# KiCad board robot.kicad_pcb
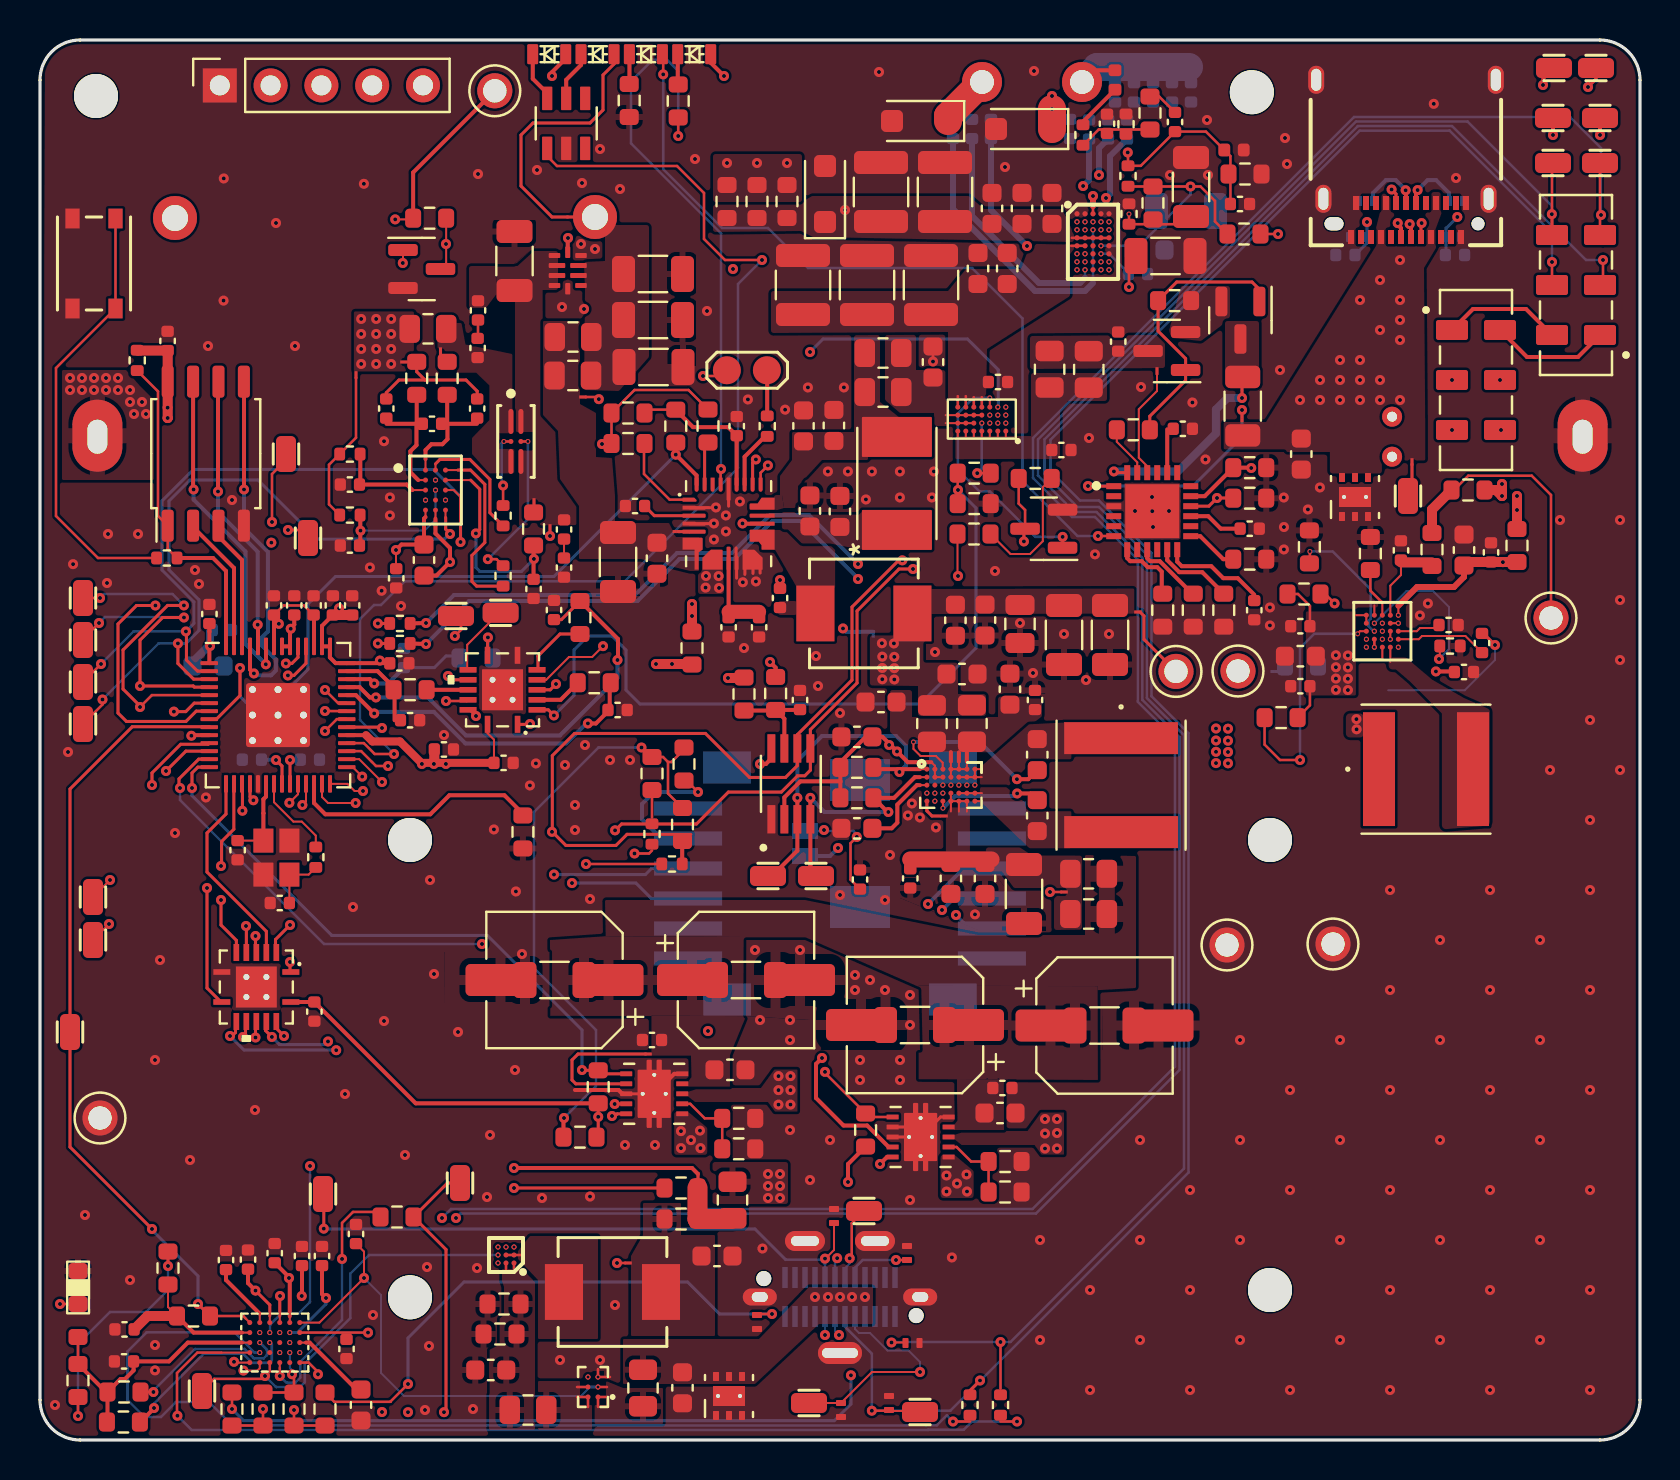
[diagram p0: board, top side]
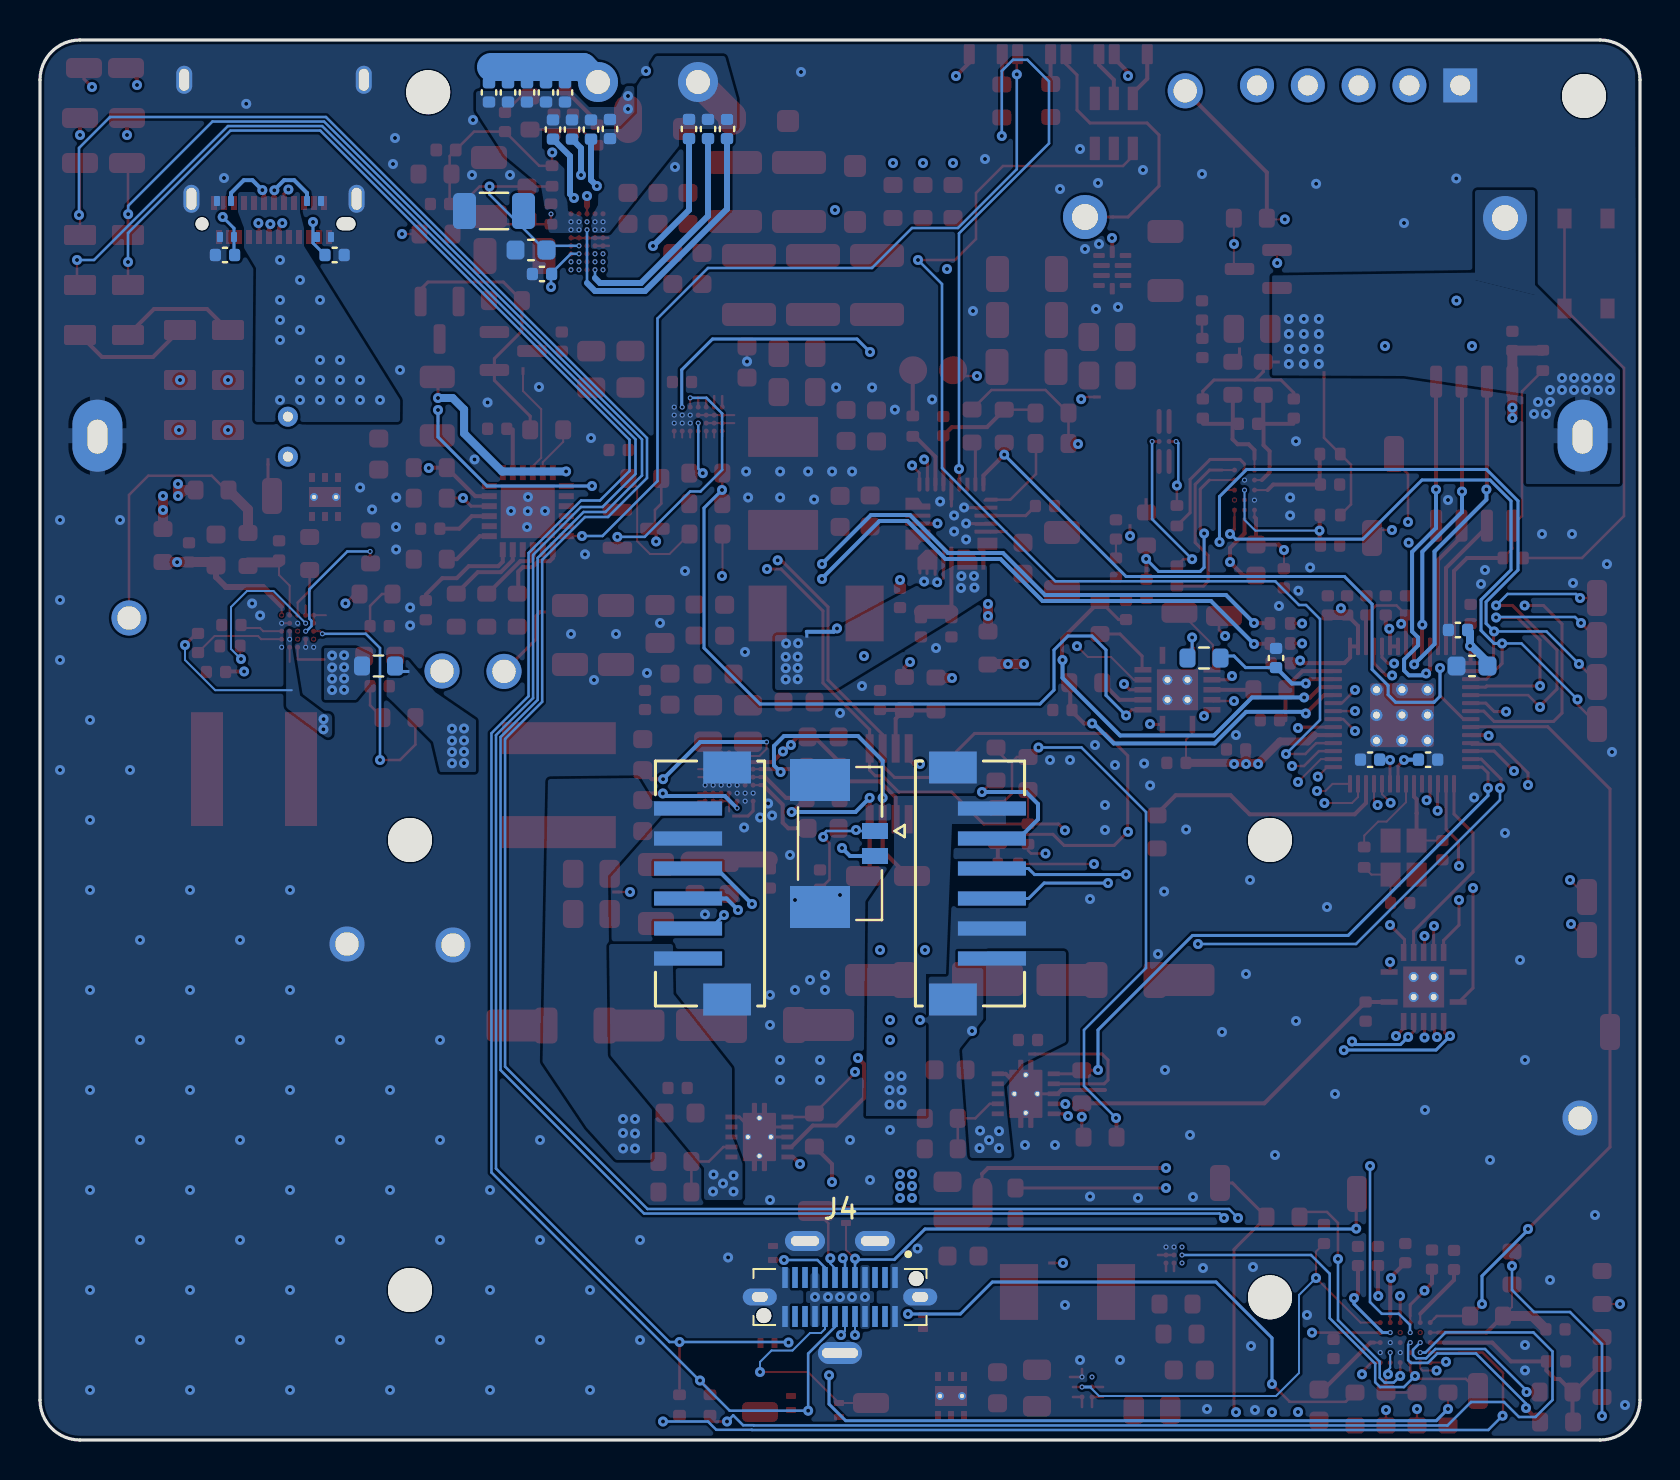
[diagram p1: board, bottom side, seen from below]

Outline 80 x 70 mm; copper layers: Top Layer, Signal Layer 1, Signal Layer 2, Bottom Layer. Coordinates in mm from the lower left corner of the outline.
Outline path: 0,68 arc(0.59,69.41) 2,70 78,70 arc(79.41,69.41) 80,68 80,2 arc(79.41,0.59) 78,0 2,0 arc(0.59,0.59) 0,2 0,68
Stack: Top Layer 0.035mm / dielectric 0.48mm FR4 er 4.5 / Signal Layer 1 0.035mm / dielectric 0.48mm FR4 er 4.5 / Signal Layer 2 0.035mm / dielectric 0.48mm FR4 er 4.5 / Bottom Layer 0.035mm

## Placement (name value [footprint] x y rotation side)
BT1  DNP  [battery26650_holderOnly]  40 50.17 0 bottom
BT2  DNP  [battery26650]  40 50.17 180 bottom
C1  22uF  [C_0603_1608Metric]  46.1 38.3 0 top
C2  27pF  [C_0402_1005Metric]  9.88 29.49 270 top
C3  27pF  [C_0402_1005Metric]  11.99 26.85 180 top
C4  1uF  [C_0402_1005Metric]  63.02 40.69 180 top
C5  0.1uF  [C_0402_1005Metric]  6.38 54.95 90 top
C6  0.1uF  [C_0402_1005Metric]  11.7 41.73 90 top
C7  0.1uF  [C_0402_1005Metric]  13.5 34.02 0 bottom
C8  1uF  [C_0402_1005Metric]  13.68 41.73 90 top
C9  0.1uF  [C_0402_1005Metric]  12.71 41.73 90 top
C10  1uF  [C_0402_1005Metric]  14.64 41.73 90 top
C11  0.1uF  [C_0402_1005Metric]  9.1 40.5 0 bottom
C12  0.1uF  [C_0402_1005Metric]  17.97 38.83 0 top
C13  0.1uF  [C_0402_1005Metric]  20.2 34.53 0 top
C14  0.1uF  [C_0402_1005Metric]  10.6 34.02 180 bottom
C15  0.1uF  [C_0402_1005Metric]  8.47 41.3 90 top
C16  0.1uF  [C_0402_1005Metric]  15.61 41.73 90 top
C17  10uF  [C_0603_1608Metric]  8.4 38.7 0 bottom
C18  27pF  [C_0402_1005Metric]  70.75 59.25 0 bottom
C19  27pF  [C_0402_1005Metric]  65.27 59.25 180 bottom
C20  10uF  [C_0603_1608Metric]  63.06 49.3 270 top
C21  1uF  [C_0402_1005Metric]  51.07 49.5 0 top
C22  1uF  [C_0402_1005Metric]  47.9 52.9 0 top
C23  4.7uF  [C_0603_1608Metric]  44.65 53.9 90 top
C24  0.1uF  [C_0402_1005Metric]  38 37 90 top
C25  10uF  [C_0603_1608Metric]  42.05 36.9 180 top
C26  0.47uF  [C_0603_1608Metric]  40.84 35.16 180 top
C27  10uF  [C_0603_1608Metric]  48.5 37.54 90 top
C28  2.2uF  [C_0603_1608Metric]  40.84 30.58 180 top
C29  1uF  [C_0402_1005Metric]  49.75 37 270 top
C30  0.22uF  [C_0603_1608Metric]  49.86 34.27 90 top
C31  0.22uF  [C_0603_1608Metric]  49.86 31.22 90 top
C32  0.1uF  [C_0402_1005Metric]  43.51 28.08 90 top
C33  22uF  [C_0603_1608Metric]  45.54 28.08 90 top
C34  22uF  [C_0603_1608Metric]  47.25 28.08 90 top
C35  0.1uF  [C_0402_1005Metric]  23.18 33.86 0 top
C36  0.1uF  [C_0402_1005Metric]  18.5 35.99 0 top
C37  0.1uF  [C_0402_1005Metric]  18.2 39.1 90 bottom
C38  0.1uF  [C_0402_1005Metric]  25.7 41.5 90 top
C39  0.1uF  [C_0402_1005Metric]  28.88 36.5 0 top
C40  0.1uF  [C_0402_1005Metric]  48.12 17.6 0 top
C41  0.1uF  [C_0402_1005Metric]  30.6 20 180 top
C42  10uF  [C_0603_1608Metric]  48 16.35 0 top
C43  10uF  [C_0603_1608Metric]  34.5 18.51 0 top
C44  0.1uF  [C_0402_1005Metric]  13.72 21.42 270 top
C45  27pF  [C_0402_1005Metric]  13.1 9.2 90 top
C46  27pF  [C_0402_1005Metric]  10.4 9.02 90 top
C47  1uF  [C_0402_1005Metric]  11.73 9.34 90 top
C48  1uF  [C_0402_1005Metric]  15.33 4.55 270 top
C49  2.2uF  [C_0603_1608Metric]  16.05 1.75 270 top
C50  1uF  [C_0402_1005Metric]  15.8 10.3 90 top
C51  1uF  [C_0402_1005Metric]  9.3 9 90 top
C52  1uF  [C_0402_1005Metric]  14.1 9.2 90 top
C53  1uF  [C_0402_1005Metric]  4.2 3.93 180 top
C54  1uF  [C_0402_1005Metric]  4.23 5.53 180 top
C55  1uF  [C_0402_1005Metric]  17.81 43.08 270 top
C56  0.47uF  [C_0603_1608Metric]  19.2 44 270 top
C57  0.1uF  [C_0402_1005Metric]  15.49 44.72 180 top
C58  0.1uF  [C_0402_1005Metric]  15.49 47.77 180 top
C59  0.1uF  [C_0402_1005Metric]  17.31 51.57 90 top
C60  0.1uF  [C_0402_1005Metric]  19.6 50.81 0 top
C61  0.1uF  [C_0402_1005Metric]  21.86 51.57 270 top
C62  0.1uF  [C_0402_1005Metric]  21.88 54.6 90 top
C63  0.1uF  [C_0402_1005Metric]  21.9 56.48 90 top
C64  0.1uF  [C_0402_1005Metric]  24.68 42.55 270 top
C65  0.1uF  [C_0402_1005Metric]  26.2 45.53 270 top
C66  0.1uF  [C_0402_1005Metric]  26.2 43.62 270 top
C67  10uF  [C_0603_1608Metric]  38.17 50.7 90 top
C68  10uF  [C_0603_1608Metric]  39.7 50.73 90 top
C69  1uF  [C_0402_1005Metric]  35.95 40.63 270 top
C70  0.1uF  [C_0402_1005Metric]  34.43 40.63 270 top
C71  0.1uF  [C_0402_1005Metric]  34.84 50.69 90 top
C72  0.1uF  [C_0402_1005Metric]  29.75 46.7 180 top
C73  0.1uF  [C_0402_1005Metric]  37 42.1 270 top
C74  100uF  [CP_Elec_APXJ100ARA271MF61G]  43.75 20.75 180 top
C75  10uF  [C_0603_1608Metric]  30.85 44.09 270 top
C76  22uF  [C_0603_1608Metric]  47.25 41 270 top
C77  10uF  [C_0603_1608Metric]  40 46.43 90 top
C78  22uF  [C_0603_1608Metric]  45.77 40.99 270 top
C79  100uF  [C_1206_3216Metric]  28.9 43.9 270 top
C80  10uF  [C_0603_1608Metric]  38.5 46.45 90 top
C81  47uF  [C_0805_2012Metric]  49 40.8 270 top
C82  100uF  [C_1206_3216Metric]  51.2 40.25 270 top
C83  100uF  [C_1206_3216Metric]  53.5 40.25 270 top
C84  10nF  [C_0402_1005Metric]  72.1 39.85 270 top
C85  0.1uF  [C_0402_1005Metric]  63.02 37.69 180 top
C86  100uF  [CP_Elec_APXJ100ARA271MF61G]  25.72 23 180 top
C87  22uF  [C_0603_1608Metric]  63.02 39.19 180 top
C88  1uF  [C_0402_1005Metric]  68.05 44.48 90 top
C89  100uF  [CP_Elec_APXJ100ARA271MF61G]  53.22 20.72 0 top
C90  100uF  [CP_Elec_APXJ100ARA271MF61G]  35.3 23 0 top
C91  100uF  [C_1206_3216Metric]  49.2 27.3 270 top
C92  0.1uF  [C_0402_1005Metric]  72.55 44.38 90 top
C93  22uF  [C_0603_1608Metric]  71.2 44.5 90 top
C94  1uF  [C_0402_1005Metric]  70.43 40.75 0 top
C95  1uF  [C_0402_1005Metric]  71.2 38.4 0 top
C96  100uF  [C_1206_3216Metric]  23.72 58.95 90 top
C97  4.7uF  [C_0603_1608Metric]  32.12 2.61 270 top
C99  1uF  [C_0402_1005Metric]  41 28.03 90 top
C100  4.7uF  [C_0603_1608Metric]  22.54 3.5 180 top
C101  4.7uF  [C_0603_1608Metric]  33.85 9.2 0 top
C102  0.1uF  [C_0402_1005Metric]  60.71 41.49 270 top
C103  0.1uF  [C_0402_1005Metric]  57.14 50.56 0 top
C104  0.1uF  [C_0402_1005Metric]  60.49 45.57 0 top
C105  1uF  [C_0402_1005Metric]  53.91 54.92 90 top
C106  100uF  [C_1206_3216Metric]  30.67 53.65 0 top
C107  100uF  [C_1206_3216Metric]  30.65 56 0 top
C108  100uF  [C_1206_3216Metric]  30.65 58.3 0 top
C109  100uF  [C_1206_3216Metric]  57.55 62.65 90 top
C110  22nF  [C_0402_1005Metric]  56.75 65.9 90 top
C111  1.5nF  [C_0402_1005Metric]  60 61.8 180 top
C112  3.3nF  [C_0402_1005Metric]  53.35 65.81 270 top
C113  0.1uF  [C_0402_1005Metric]  53.75 67.38 270 bottom
C114  0.1uF  [C_0402_1005Metric]  57.55 67.38 270 bottom
C115  10nF  [C_0402_1005Metric]  52.45 65.53 90 bottom
C116  0.1uF  [C_0402_1005Metric]  54.7 67.38 270 bottom
C117  22nF  [C_0402_1005Metric]  53.4 65.53 90 bottom
C118  10nF  [C_0402_1005Metric]  47.55 65.55 90 bottom
C119  0.1uF  [C_0402_1005Metric]  56.6 67.38 270 bottom
C120  22nF  [C_0402_1005Metric]  46.6 65.55 90 bottom
C121  0.1uF  [C_0402_1005Metric]  55.65 67.38 270 bottom
C122  3.3nF  [C_0402_1005Metric]  51.5 65.55 270 bottom
C123  47nF  [C_0402_1005Metric]  45.65 65.55 90 bottom
C124  4.7uF  [C_0603_1608Metric]  55.45 59.5 180 bottom
C125  100uF  [C_1206_3216Metric]  57.3 61.45 180 bottom
C126  1uF  [C_0402_1005Metric]  54.9 58.3 180 bottom
C127  100uF  [C_1206_3216Metric]  56.28 59.2 180 top
C128  47nF  [C_0402_1005Metric]  54.35 65.53 90 bottom
C129  10uF  [C_0603_1608Metric]  48.36 58.58 270 top
C130  10uF  [C_0603_1608Metric]  46.9 58.58 270 top
C131  100uF  [C_1210_3225Metric]  44.55 57.75 270 top
C132  10uF  [C_0603_1608Metric]  50.6 61.58 270 top
C133  100uF  [C_1210_3225Metric]  41.35 57.75 270 top
C134  10uF  [C_0603_1608Metric]  49.1 61.58 270 top
C135  100uF  [C_1210_3225Metric]  38.15 57.75 270 top
C136  10uF  [C_0603_1608Metric]  47.6 61.58 270 top
C137  100uF  [C_1210_3225Metric]  45.25 62.4 270 top
C138  100uF  [C_1210_3225Metric]  42.05 62.4 270 top
D1  LED-RED  [B12H1UYG-20D000134U1930]  32.78 69.29 90 top
D2  LED-YG  [B12H1UYG-20D000134U1930]  25.53 69.29 90 top
D3  LED-Amber  [B12H1UYG-20D000134U1930]  27.94 69.29 90 top
D4  SMF13A  [D_SOD-123F]  49.2 65.55 180 top
D5  LED-GREEN  [B12H1UYG-20D000134U1930]  30.36 69.29 90 top
D6  SMF13A  [D_SOD-123F]  44 65.95 180 top
D7  D_Schottky  [SD2114S040S8R0]  42.85 47.83 90 top
D9  IN4448HLP  [D_0402_1005Metric]  53.75 68 90 top
D10  SMF13A  [D_SOD-123F]  39.25 62.3 90 top
D11  IN4448HLP  [D_0402_1005Metric]  59.7 64.5 0 top
H1  MountingHole  [MountingHole_2.2mm_M2_2mm_clearance]  18.5 7.13 0 top
H2  MountingHole  [MountingHole_2.2mm_M2_2mm_clearance]  61.5 7.5 0 top
H3  MountingHole  [MountingHole_2.2mm_M2]  60.59 67.39 0 top
H4  MountingHole  [MountingHole_2.2mm_M2]  2.8 67.2 0 top
H5  MountingHole  [MountingHole_2.2mm_M2_2mm_clearance]  61.5 30 0 top
H6  MountingHole  [MountingHole_2.2mm_M2_2mm_clearance]  18.5 30 0 top
IC1  -  [TPS22998RYZR]  26.39 58.47 0 top
J1  USBC_Receptacle_SMD_RA  [CON_USB3.1-C_RCPT_SMD_RA_ACP_12401610E4#2A]  68.3 65.15 180 top
J2  Conn_01x05  [PinSocket_1x05_P2.54mm_Vertical]  8.99 67.73 90 top
J3  Conn_01x06_MountingPin  [CONN_B6B-ZR-SM4-TF_JST]  33.5 27.82 90 bottom
J4  USB4151-GF-C  [GCT_USB4151-GF-C_REVA]  40 7.15 180 bottom
J5  Conn_01x06_MountingPin  [CONN_B6B-ZR-SM4-TF_JST]  46.5 27.82 270 bottom
J8  Conn_01x02  [THT_Pitch5mm_Drill1.2mm]  47.1 67.9 0 top
L1  1.5uH  [NRS6028T1R5NMGJ]  54.05 32.74 270 top
L2  0.47uH  [Vishay-IHLP-2020BZ-FP_1.905x2.79-3D_2.0-0-0-MFG]  41.2 41.33 0 top
L3  1.5uH  [NRS6028T1R5NMGJ]  69.3 33.54 0 top
L4  0.47uH  [Vishay-IHLP-2020BZ-FP_1.905x2.79-3D_2.0-0-0-MFG]  28.62 7.4 180 top
NT1  NetTie_2  [NetTie-_SMD_Pad6mil]  68.6 48.9 90 top
NT2  NetTie_2  [NetTie-_SMD_Pad6mil]  60.1 51.08 90 top
NT3  NetTie_2  [NetTie-_SMD_Pad6mil]  60.1 52.46 270 top
NT4  NetTie_2  [NetTie-_SMD_Pad6mil]  55.85 53.45 270 top
NT5  NetTie_2  [NetTie-_SMD_Pad6mil]  31.82 45.42 0 top
NT6  NetTie_2  [NetTie-_SMD_Pad6mil]  27.15 52.15 0 top
NT7  NetTie_2  [NetTie-_SMD_Pad6mil]  26.5 61.15 180 top
NT8  NetTie_2  [NetTie-_SMD_Pad6mil]  25.5 45.6 270 top
NT9  NetTie_2  [NetTie-_SMD_Pad6mil]  24.7 46.9 270 top
NT10  NetTie_2  [NetTie-_SMD_Pad6mil]  18.2 53.9 0 top
NT11  NetTie_2  [NetTie-_SMD_Pad6mil]  41.66 40.31 90 bottom
NT12  NetTie_2  [NetTie-_SMD_Pad6mil]  20.03 54.44 270 top
NT13  NetTie_2  [NetTie-_SMD_Pad6mil]  15.8 53.25 90 top
NT14  NetTie_2  [NetTie-_SMD_Pad6mil]  54.9 41.4 180 top
NT15  NetTie_2  [NetTie-_SMD_Pad6mil]  45.2 31.2 180 top
NT16  NetTie_2  [NetTie-_SMD_Pad6mil]  51.2 27.4 0 top
NT17  NetTie_2  [NetTie-_SMD_Pad6mil]  30.4 19.3 0 top
NT18  NetTie_2  [NetTie-_SMD_Pad6mil]  32.9 13.2 270 top
NT20  NetTie_2  [NetTie-_SMD_Pad6mil]  61.72 38.42 0 bottom
NT21  NetTie_2  [NetTie-_SMD_Pad6mil]  29.4 8.85 0 top
NT22  NetTie_2  [NetTie-_SMD_Pad6mil]  27.6 2.65 0 bottom
Q1  Q_NMOS_GDS  [SOT-23]  50.19 45.56 180 top
Q2  EFC8811R-TF  [ON_Semiconductor-568AL-10_2013-O-MFG]  23.8 49.93 270 top
Q3  AS2312  [SOT-23]  60.02 55.99 270 top
Q4  YJL3416A  [SOT-23]  56.34 54.45 180 top
Q5  -  [SN74AHC125RGYR]  23.13 37.51 180 top
Q6  -  [SN74AHC125RGYR]  10.82 22.65 270 top
Q7  Q_NMOS_GDS  [SOT-23]  19.09 58.55 0 top
R1  1k  [R_0402_1005Metric]  6.34 44.1 180 top
R2  DNP  [R_0402_1005Metric]  4.86 53.98 270 top
R3  27  [R_0402_1005Metric]  18 40.83 180 top
R4  27  [R_0402_1005Metric]  18 39.83 180 top
R5  1k  [R_0402_1005Metric]  13.79 29.14 270 top
R6  10  [R_0402_1005Metric]  30.6 30.3 90 top
R7  10  [R_0402_1005Metric]  31.6 28.8 0 top
R8  47K  [R_0603_1608Metric]  19.48 61.09 0 top
R9  80.6k  [R_0402_1005Metric]  70.5 39.7 0 top
R10  0  [R_0603_1608Metric]  24.15 30.4 90 top
R11  0  [R_0805_2012Metric]  34.62 12 90 top
R12  100k  [R_0603_1608Metric]  23 5.3 180 top
R13  DNP  [R_0603_1608Metric]  23.2 6.8 180 top
R14  2.2k  [R_0603_1608Metric]  30.6 33.33 270 top
R15  2.2k  [R_0603_1608Metric]  32.12 30.78 270 top
R16  510k  [R_0603_1608Metric]  46.71 48.34 180 top
R17  100k  [R_0603_1608Metric]  46.71 46.82 0 top
R18  47K  [R_0603_1608Metric]  49.76 48.08 180 top
R19  200k  [R_0603_1608Metric]  36.78 37.33 90 top
R20  2.2k  [R_0603_1608Metric]  40.84 32.11 0 top
R21  2.2k  [R_0603_1608Metric]  40.84 33.63 0 top
R22  100  [R_0603_1608Metric]  18.5 37.51 0 top
R23  100  [R_0603_1608Metric]  21.8 39.1 0 bottom
R24  100  [R_0603_1608Metric]  27 41.12 270 top
R25  100  [R_0603_1608Metric]  27.71 37.86 180 top
R26  0.39  [R_0603_1608Metric]  48.25 13.92 0 top
R27  0.39  [R_0603_1608Metric]  34.94 16.08 0 top
R28  10k  [R_0603_1608Metric]  41.28 15.5 90 top
R29  0.39  [R_0603_1608Metric]  48.25 12.4 0 top
R30  0.39  [R_0603_1608Metric]  34.94 14.56 0 top
R31  10k  [R_0603_1608Metric]  27.91 17.66 90 top
R32  10  [R_0402_1005Metric]  48.03 1.75 270 top
R33  10  [R_0402_1005Metric]  46.5 1.75 270 top
R34  2.2k  [R_0603_1608Metric]  4.17 0.9 0 top
R35  2.2k  [R_0603_1608Metric]  4.2 2.4 0 top
R36  200k  [R_0603_1608Metric]  7.67 6.2 0 top
R37  649k  [R_0603_1608Metric]  11.15 1.55 270 top
R38  120k  [R_0603_1608Metric]  9.6 1.55 90 top
R39  649k  [R_0603_1608Metric]  12.7 1.55 270 top
R40  120k  [R_0603_1608Metric]  14.25 1.55 90 top
R41  10  [R_0402_1005Metric]  15.49 49.3 0 top
R42  10  [R_0402_1005Metric]  15.49 46.25 0 top
R43  200  [R_0603_1608Metric]  18.84 53.08 90 top
R44  5m  [R_0805_2012Metric]  19.4 55.56 180 top
R45  200  [R_0603_1608Metric]  20.36 53.08 90 top
R46  1k  [R_0402_1005Metric]  23.15 46.21 270 top
R47  1k  [R_0402_1005Metric]  23.15 43.2 270 top
R48  2k  [R_0603_1608Metric]  24.68 45.55 270 top
R49  100k  [R_0603_1608Metric]  31.79 50.69 270 top
R50  1k  [R_0402_1005Metric]  36.36 50.69 90 top
R51  10m  [R_1206_3216Metric]  60.14 51.69 90 top
R52  0  [R_0805_2012Metric]  52.44 53.53 270 top
R53  113K  [R_0603_1608Metric]  66.52 44.33 90 top
R54  0  [R_0805_2012Metric]  50.48 53.54 270 top
R55  14k  [R_0603_1608Metric]  63.47 44.66 90 top
R56  100  [R_0603_1608Metric]  31.91 66.95 270 top
R57  0  [R_0603_1608Metric]  32.05 11.05 0 top
R58  100  [R_0603_1608Metric]  54.67 50.51 180 top
R59  100k  [R_0603_1608Metric]  56.14 41.49 90 top
R60  100k  [R_0603_1608Metric]  57.66 41.49 90 top
R61  100k  [R_0603_1608Metric]  59.19 41.49 90 top
R62  16k  [R_0603_1608Metric]  60.49 44.04 0 top
R63  5.1k  [R_0603_1608Metric]  60.49 48.62 0 top
R64  5.1k  [R_0603_1608Metric]  60.49 47.09 0 top
R65  10M  [R_0603_1608Metric]  17.85 11.15 180 top
R66  DNP  [R_0603_1608Metric]  56.73 56.97 180 top
R67  0  [R_0805_2012Metric]  42.15 52.4 180 top
R68  0  [R_0805_2012Metric]  42.15 54.35 180 top
R69  0  [R_0805_2012Metric]  46.6 35.83 270 top
R70  0  [R_0805_2012Metric]  44.6 35.82 270 top
R71  0  [R_0805_2012Metric]  52.43 26.3 180 top
R72  0  [R_0805_2012Metric]  52.43 28.31 180 top
R73  0  [R_0805_2012Metric]  30.15 2.6 90 top
R74  0  [R_0805_2012Metric]  24.4 1.5 180 top
R75  0  [R_0603_1608Metric]  32.05 12.6 180 top
R76  0  [R_0603_1608Metric]  46.7 45.3 180 top
R77  0  [R_0805_2012Metric]  26.65 55.15 180 top
R78  0  [R_0805_2012Metric]  26.64 53.22 180 top
R79  0  [R_0603_1608Metric]  29.4 51.35 180 top
R80  0  [R_0603_1608Metric]  29.4 49.83 180 top
R81  0  [R_0603_1608Metric]  33.4 50.7 90 top
R82  0  [R_0603_1608Metric]  35.2 37.3 90 top
R83  0  [R_0603_1608Metric]  71.4 47.5 180 top
R84  0  [R_0603_1608Metric]  32.2 33.8 90 top
R85  0  [R_0603_1608Metric]  27 15.14 180 top
R86  0  [R_0603_1608Metric]  32.6 39.6 270 top
R87  0  [R_0603_1608Metric]  6.4 8.6 270 top
R88  0  [R_0603_1608Metric]  1.9 2.97 270 top
R89  100k  [R_0603_1608Metric]  60.2 60.3 0 top
R90  0  [R_0603_1608Metric]  63.08 38.7 0 bottom
R91  0  [R_0603_1608Metric]  69.6 44.53 90 top
R92  0  [R_0603_1608Metric]  63.2 42.3 180 top
R93  0  [R_0603_1608Metric]  62.06 36.12 0 top
R94  0  [R_0603_1608Metric]  73.85 44.72 90 top
R95  0  [R_0603_1608Metric_3pin_Switch]  1.87 6.83 270 top
R96  10k  [R_0603_1608Metric]  55.5 66.35 90 top
R97  100  [R_0603_1608Metric]  29.46 66.97 270 top
R98  150k  [R_0402_1005Metric]  54.4 63.2 270 top
R99  100k  [R_0603_1608Metric]  60.25 63.3 180 top
R100  220k  [R_0402_1005Metric]  54.3 65.79 90 top
R101  6.8k  [R_0402_1005Metric]  52.15 65.25 270 top
R102  10k  [R_0603_1608Metric]  55.65 61.85 270 top
R103  200  [R_0603_1608Metric]  37.35 61.92 270 top
R104  200  [R_0603_1608Metric]  35.85 61.92 270 top
R105  200  [R_0603_1608Metric]  34.35 61.92 270 top
S2  PTS815 SJM 250 SMTR LFS  [SW4_PTS815 SJM 250 SMTR LFS_CNK]  2.7 58.83 270 top
S3  JS202011JCQN  [SW_JS202011JCQN]  71.8 53 270 top
S4  JS202011JCQN  [SW_JS202011JCQN]  76.8 57.75 90 top
SW1  SW_SPST  [MOLEX_picoblade_SMT_2pin]  40 29.82 90 bottom
TH1  DNP  [battery26650_thermistor]  40 50.17 180 bottom
TH2  100k  [R_0402_1005Metric]  54.45 61.3 90 top
TP1  SMD_0603  [TestPoint_SMD_0603]  2.15 37.9 90 top
TP2  SMD_0603  [TestPoint_SMD_0603]  2.15 42.1 90 top
TP3  SMD_0603  [TestPoint_SMD_0603]  14.15 12.3 90 top
TP4  SMD_0603  [TestPoint_SMD_0603]  38.45 1.85 0 top
TP5  SMD_0603  [TestPoint_SMD_0603]  21 12.85 90 top
TP6  SMD_0603  [TestPoint_SMD_0603]  8.1 2.45 90 top
TP7  SMD_0603  [TestPoint_SMD_0603]  1.5 20.4 90 top
TP8  SMD_0603  [TestPoint_SMD_0603]  75.65 63.85 180 top
TP9  SMD_0603  [TestPoint_SMD_0603]  68.4 47.2 90 top
TP10  SMD_0603  [TestPoint_SMD_0603]  12.3 49.3 90 top
TP11  SMD_0603  [TestPoint_SMD_0603]  2.65 25 270 top
TP12  TP2PinPads  [TestPoint_2Pads_Pitch2mm_SMD]  36.34 53.49 180 top
TP13  SMD_0603  [TestPoint_SMD_0603]  41.2 11.45 0 top
TP14  SMD_0603  [TestPoint_SMD_0603]  44 1.4 180 top
TP15  SMD_0603  [TestPoint_SMD_0603]  78 63.85 0 top
TP16  SMD_0603  [TestPoint_SMD_0603]  2.15 35.8 90 top
TP17  SMD_0603  [TestPoint_SMD_0603]  2.15 40 270 top
TP18  SMD_0603  [TestPoint_SMD_0603]  36.4 28.2 180 top
TP19  SMD_0603  [TestPoint_SMD_0603]  38.8 28.2 180 top
TP20  SMD_0603  [TestPoint_SMD_0603]  78 66.1 0 top
TP21  SMD_0603  [TestPoint_SMD_0603]  75.65 66.1 0 top
TP22  SMD_0603  [TestPoint_SMD_0603]  77.8 68.6 0 top
TP23  SMD_0603  [TestPoint_SMD_0603]  75.7 68.6 0 top
TP24  SMD_0603  [TestPoint_SMD_0603]  2.65 27.15 270 top
TP26  SMD_0603  [TestPoint_SMD_0603]  23.03 41.36 180 top
TP27  SMD_0603  [TestPoint_SMD_0603]  20.8 41.2 180 top
TP28  TestPoint  [THT_JumperLead]  6.75 61.1 0 top
TP29  TestPoint  [THT_JumperLead]  27.75 61.15 0 top
TP30  TestPoint  [KEYSTONE_5002]  56.8 38.43 0 top
TP33  SMD_0603  [TestPoint_SMD_0603]  13.4 45.1 90 top
TP34  TestPoint  [KEYSTONE_5002]  59.9 38.45 0 top
TP39  TestPoint  [KEYSTONE_5002]  22.74 67.46 0 top
TP40  TestPoint  [KEYSTONE_5002]  75.55 41.1 0 top
TP41  TestPoint  [KEYSTONE_5002]  64.65 24.8 0 top
TP42  TestPoint  [KEYSTONE_5002]  3 16.1 0 top
TP43  TestPoint  [KEYSTONE_5002]  59.35 24.75 0 top
U1  STWLC38JRM  [BGA40C40P5X8_213X333X57]  52.65 59.91 0 top
U2  W25Q128JVS  [SOIC-8_5.23x5.23mm_P1.27mm]  8.29 49.32 90 top
U3  RP2040  [RP2040-QFN-56]  11.9 36.24 0 top
U4  -  [NCP3901]  47.09 51.04 180 top
U5  LSF0102DCTR  [SOP65P400X130-8N]  37.54 32.81 90 top
U6  MAX77857BEWB+  [WLP-35_7x5_2.828x2.028mm]  45.54 32.74 0 top
U7  AP2502KTR-G1  [SOT95P280X145-6N]  26.31 65.83 90 top
U8  DRV8830DRCR  [IC_DRV8830DRCR]  44.03 15.15 180 top
U9  DRV8830DRCR  [IC_DRV8830DRCR]  30.71 17.31 180 top
U11  MAX77958EWV+T  [MAX77958EWV&plus_T]  11.74 4.87 0 top
U12  BQ27742YZFR-G1  [Texas_Instruments-YZF0015-0-0-MFG]  19.77 47.5 0 top
U13  MAX77976EFD+  [MAX77976]  34.43 45.82 0 top
U14  MAX77642ANA+  [Maxim-N252B2-1-0-A-MFG]  67.12 40.44 0 top
U15  TPD1E05U06  [TPD1E05U06DPYR]  43.62 4.85 0 top
U16  fpf1048bucx  [BGA6N50P3X2_146X96X62N]  27.65 2.65 180 top
U17  TPS61253AYFFT  [Texas_Instruments-YFF0009-BGA9C40P3X3_119X129X62]  23.3 9.25 180 top
U18  AP33771DKZ-13  [AP33771DKZ13]  55.61 46.44 0 top
U19  TPD1E05U06  [TPD1E05U06DPYR]  42.45 1.85 90 top
U20  TPD1E05U06  [TPD1E05U06DPYR]  35.85 5.9 270 top
U21  TPD1E05U06  [TPD1E05U06DPYR]  43.35 9.35 90 top
U22  TPD1E05U06  [TPD1E05U06DPYR]  40.05 1.5 270 top
U23  TPD1E05U06  [TPD1E05U06DPYR]  39.7 11.2 90 top
U24  TVS0500DRV  [TVS0500DRVR]  34.45 2.2 90 top
U25  TVS0500DRV  [TVS0500DRVR]  65.75 47.15 90 top
U26  TPD1E05U06  [TPD1E05U06DPYR]  70.65 60.15 0 bottom
U27  TPD1E05U06  [TPD1E05U06DPYR]  65.8 60.15 180 bottom
U28  TPD1E05U06  [TPD1E05U06DPYR]  70.8 61.95 0 bottom
U29  TPD1E05U06  [TPD1E05U06DPYR]  66.3 61.95 180 bottom
Y1  ECS-120-8-36-CKM-TR3  [XTAL_ECS-120-8-36-CKM-TR3]  11.82 29.12 270 top
